# Altium PCB PCB 2 layer 10 x 10.PcbDoc (part 1 of 3)
Units mil, origin at the board's own origin, x right, y up, seen from the top; angles counter-clockwise.
Board outline 3937.01 x 3937.01 mil, 2 copper layers (Top Layer, Bottom Layer); 219 components, 191 nets, 758 pads, 513 vias.
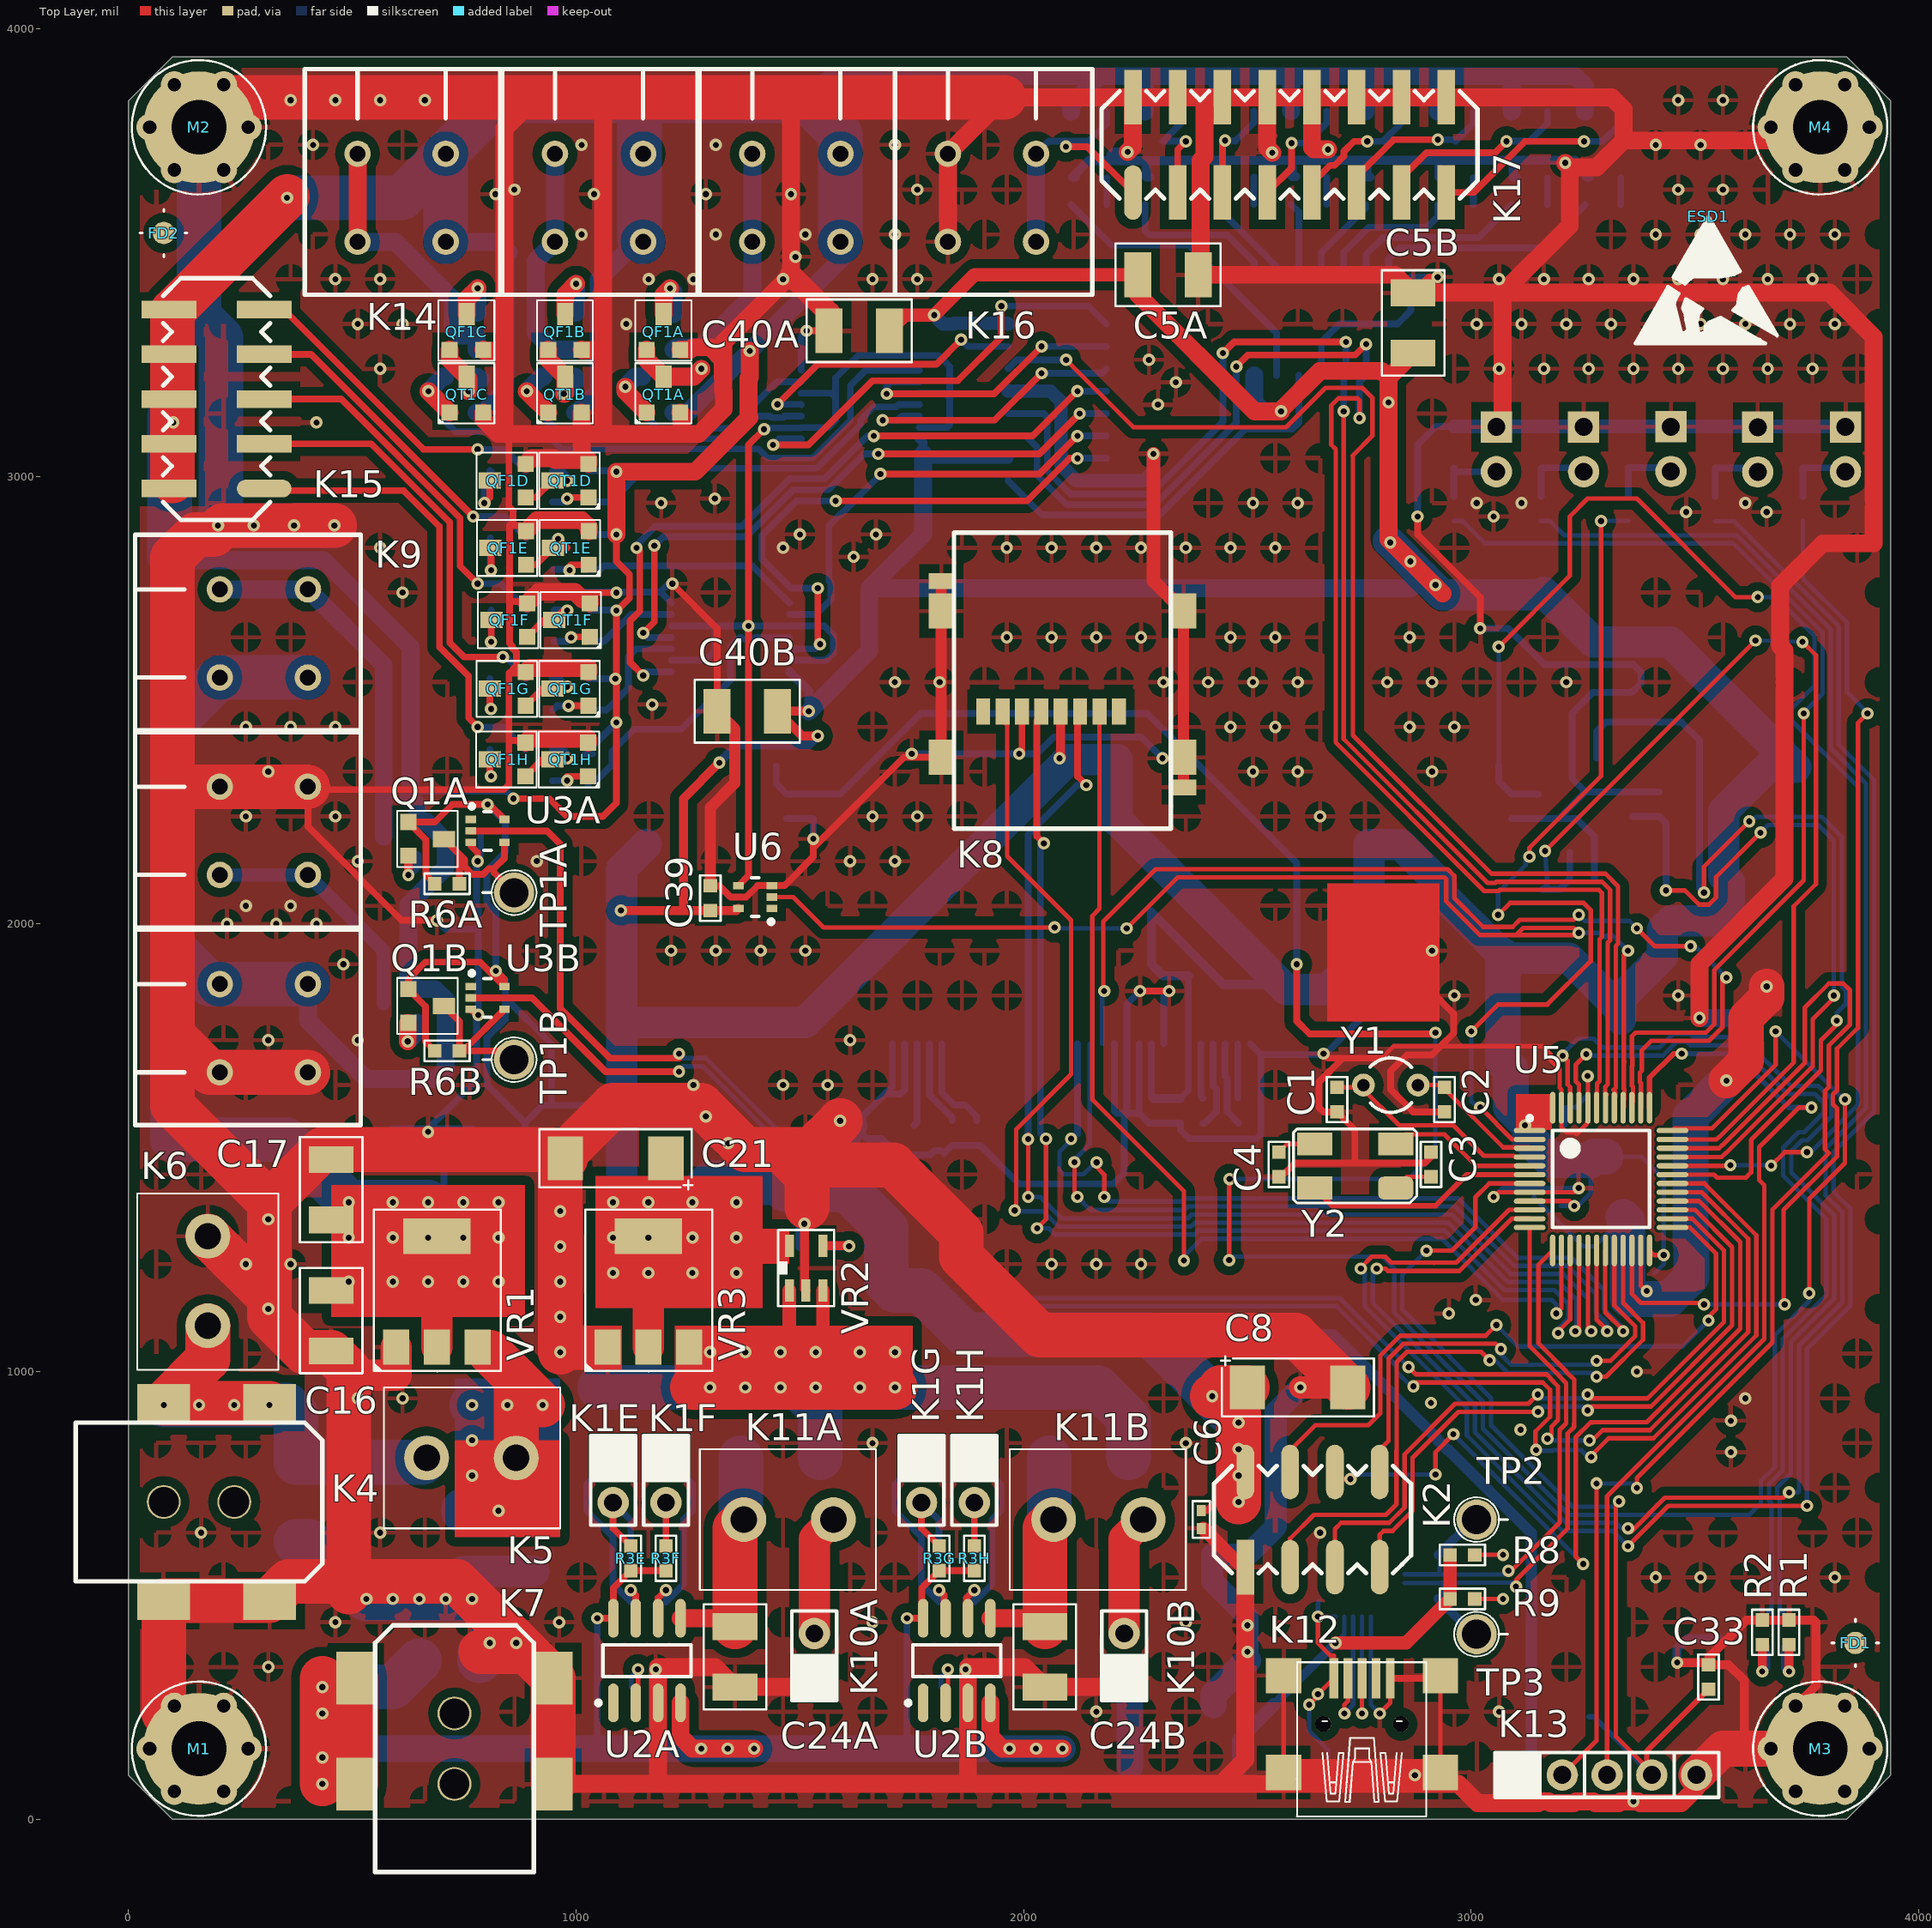
[diagram p0: Top Layer view]
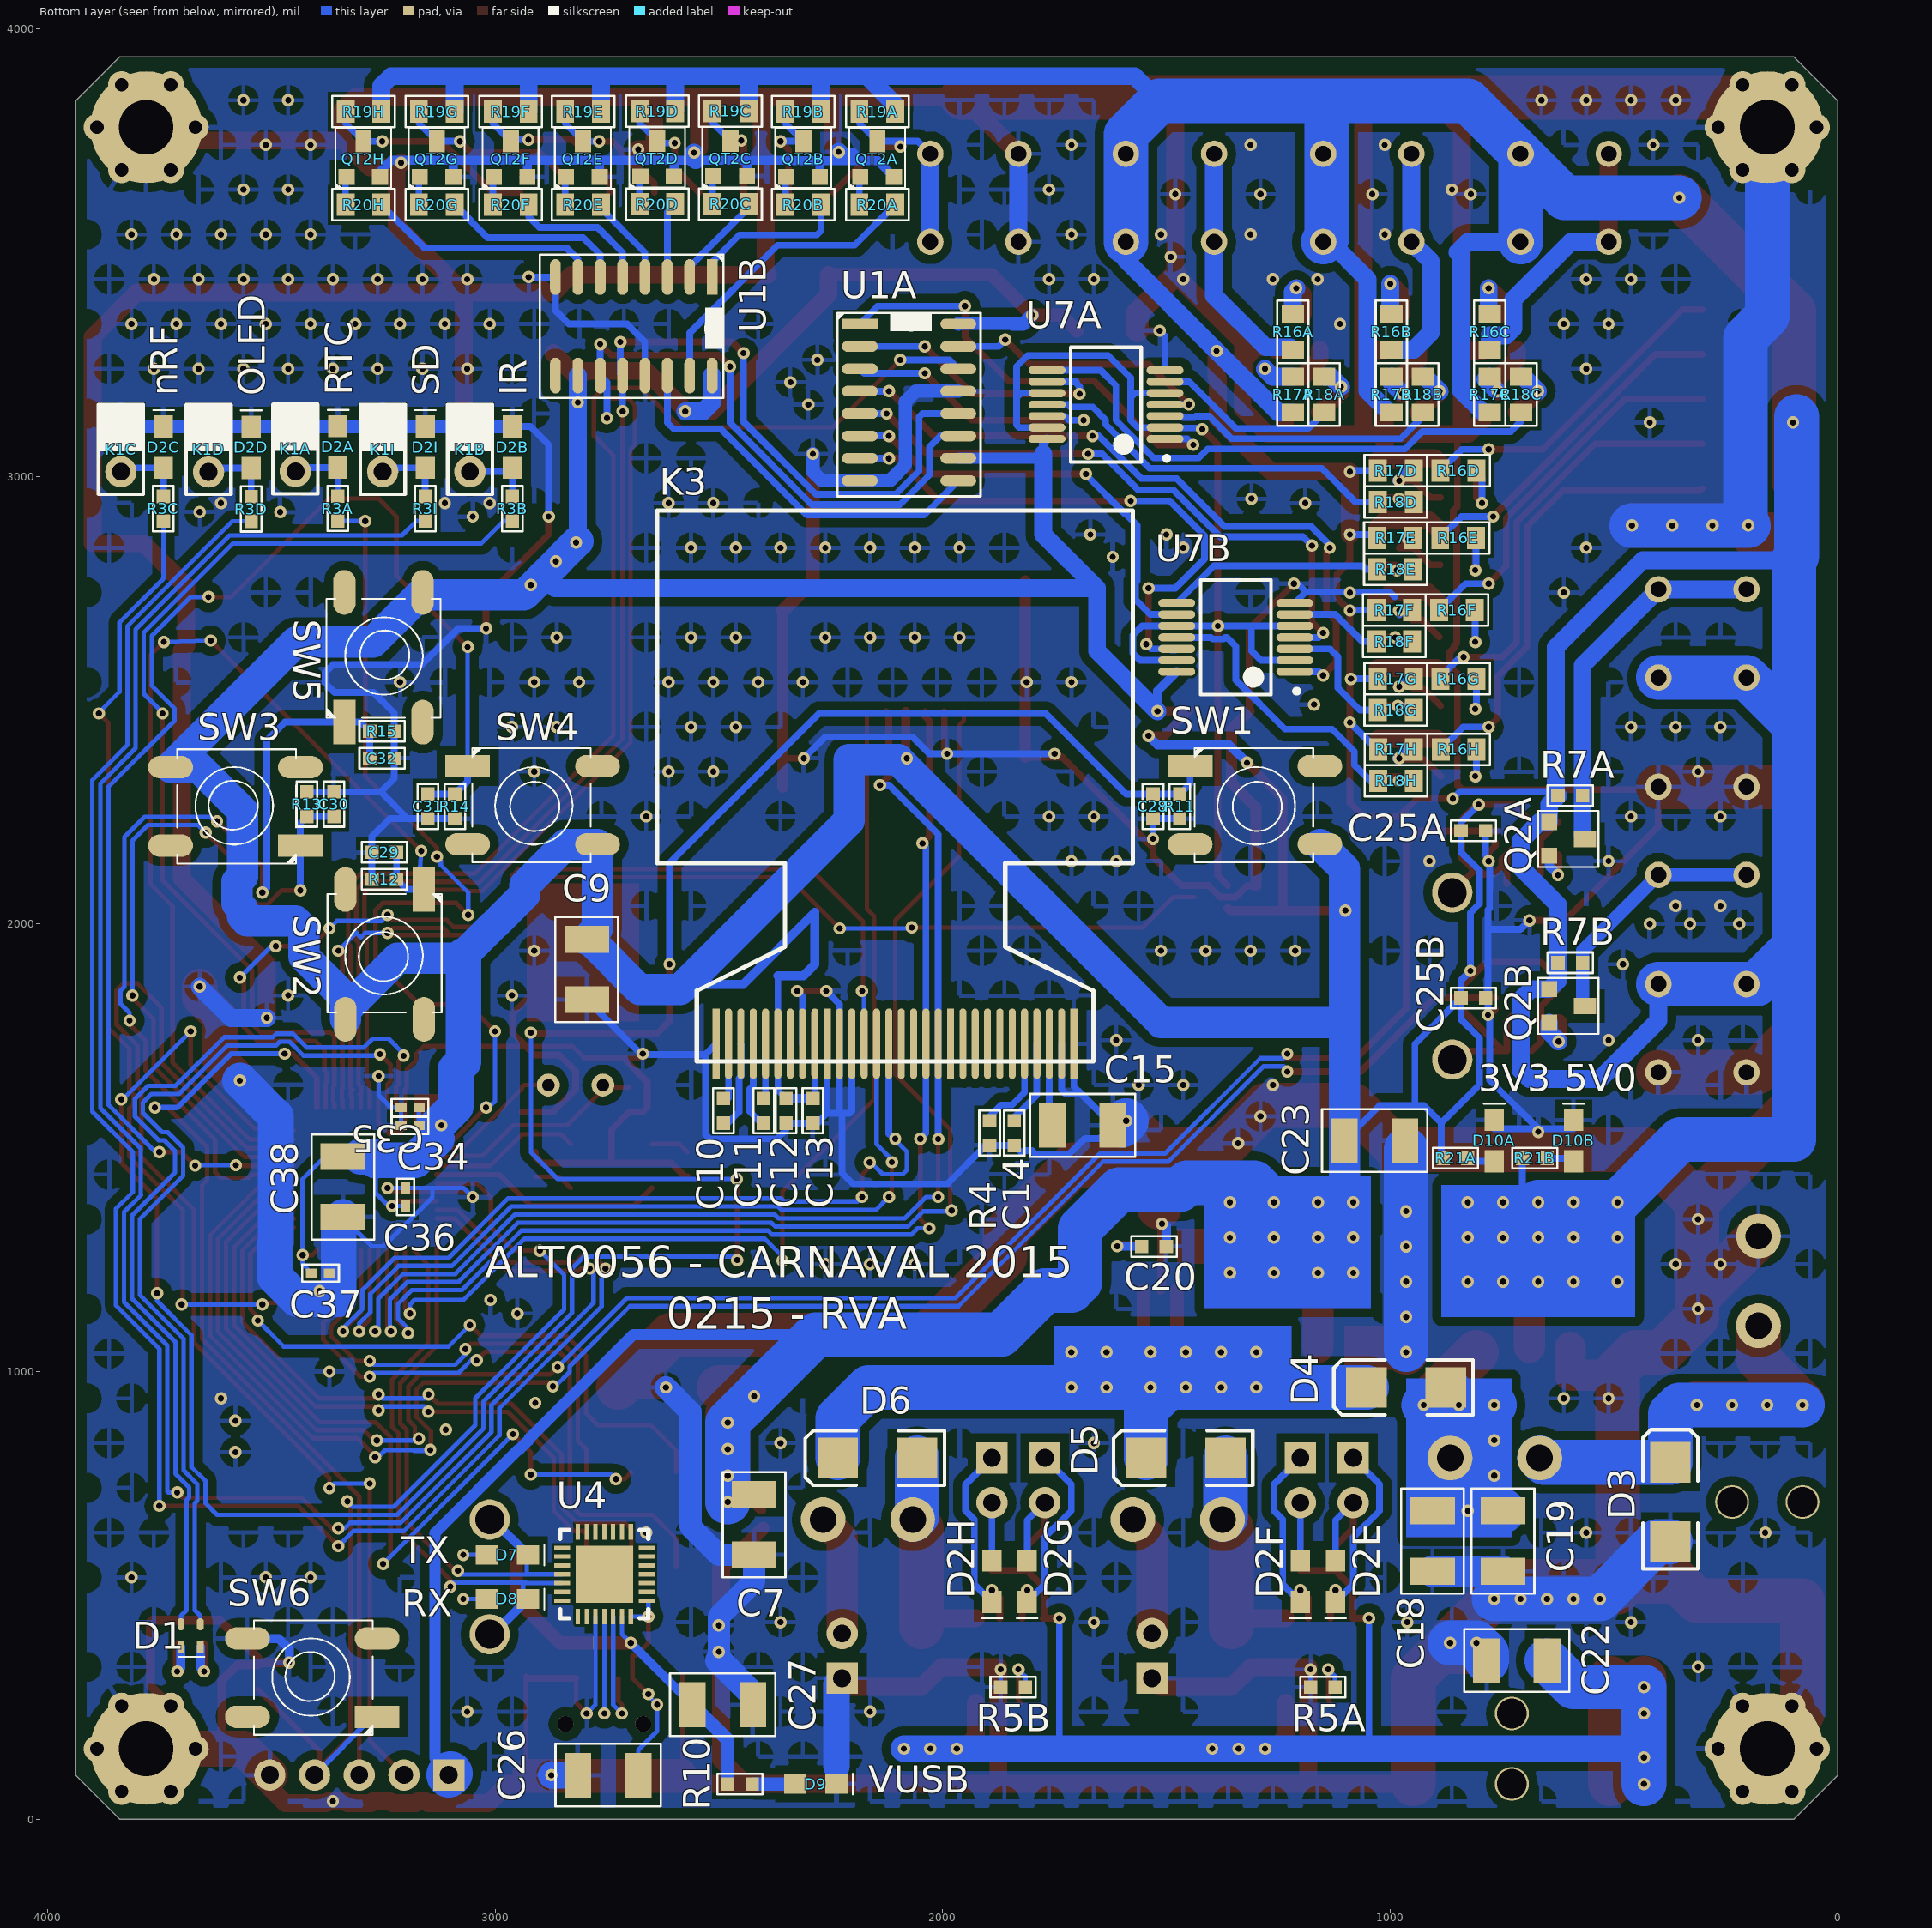
[diagram p1: Bottom Layer view, seen from below]

## Layer stack, top to bottom
Top Solder: solder mask 0.4, Solder Resist, Dk 3.5
Top Layer: signal copper 1.4
Dielectric1: dielectric 12.6, FR-4, Dk 4.8
Bottom Layer: signal copper 1.4
Bottom Solder: solder mask 0.4, Solder Resist, Dk 3.5

## Board outline
0,98.43 0,3838.58 98.42,3937.01 3838.58,3937.01 3937.01,3838.58 3937.01,98.42 3838.58,0 98.43,0

## Design rules (kind name [scope] priority, off if disabled: settings)
Clearance Clearance_2 [(InComponent('U5') OR InComponent('U4') OR InComponent('U7A') OR InComponent('U7B'))] p1: gap=6
Clearance Clearance_1 [InPolygon] p2: gap=20
Clearance [All] p3: gap=8
HoleSize [All] p1: absolutevalues=TRUE maxlimit=125 minlimit=1 maxpercent=80.000 minpercent=20.000
MinimumSolderMaskSliver [All] p1: minsoldermaskwidth=1
PlaneConnect [All] p1: planeconnectstyle=Relief reliefexpansion=20 reliefentries=4 reliefconductorwidth=10 reliefairgap=20
PolygonConnect [All] p1: connectstyle=Relief reliefconductorwidth=10 reliefentries=4 polygonreliefangle="90 Angle" airgapwidth=20
RoomDefinition SDLED [InComponentClass('SDLED')] p1: confinementstyle=ConfineIn formatcopy=TRUE lockcomponents=FALSE outline 3120.35,2980.13 3120.35,3159.68 3187,3159.68 3187,3174 3315,3174 3315,2946 3191.5,2946 3191.5,2864.5 3120.5,2864.5 3120.5,2980.13
RoomDefinition SD [InComponentClass('SD')] p2: confinementstyle=ConfineIn formatcopy=TRUE lockcomponents=FALSE outline 1773.4,2197.6 1773.4,2889.02 2399.83,2889.02 2399.83,2197.6
RoomDefinition RTCLED [InComponentClass('RTCLED')] p3: confinementstyle=ConfineIn formatcopy=TRUE lockcomponents=FALSE outline 3315.35,2980.63 3315.35,3160.18 3382,3160.18 3382,3174.5 3510,3174.5 3510,2946.5 3386.5,2946.5 3386.5,2865 3315.5,2865 3315.5,2980.63
RoomDefinition OLEDLED [InComponentClass('OLEDLED')] p4: confinementstyle=ConfineIn formatcopy=TRUE lockcomponents=FALSE outline 3509.35,2979.63 3509.35,3159.18 3576,3159.18 3576,3173.5 3704,3173.5 3704,2945.5 3580.5,2945.5 3580.5,2864 3509.5,2864 3509.5,2979.63
RoomDefinition nRFLED [InComponentClass('nRFLED')] p5: confinementstyle=ConfineIn formatcopy=TRUE lockcomponents=FALSE outline 3705.35,2980.13 3705.35,3159.68 3772,3159.68 3772,3174 3900,3174 3900,2946 3776.5,2946 3776.5,2864.5 3705.5,2864.5 3705.5,2980.13
RoomDefinition IRLED [InComponentClass('IRLED')] p6: confinementstyle=ConfineIn formatcopy=TRUE lockcomponents=FALSE outline 2925.35,2980.13 2925.35,3159.68 2992,3159.68 2992,3174 3120,3174 3120,2946 2996.5,2946 2996.5,2864.5 2925.5,2864.5 2925.5,2980.13
RoomDefinition SSR1 [InComponentClass('SSR1')] p7: confinementstyle=ConfineIn formatcopy=TRUE lockcomponents=FALSE outline 2228.35,3862.06 2228.35,3559.06 2063.35,3559.06 2063.35,3862.06
RoomDefinition SSR2 [InComponentClass('SSR2')] p8: confinementstyle=ConfineIn formatcopy=TRUE lockcomponents=FALSE outline 2393.7,3862.06 2393.7,3559.06 2228.7,3559.06 2228.7,3862.06
RoomDefinition SSR3 [InComponentClass('SSR3')] p9: confinementstyle=ConfineIn formatcopy=TRUE lockcomponents=FALSE outline 2556.49,3863.32 2556.49,3560.31 2391.49,3560.31 2391.49,3863.32
RoomDefinition SSR4 [InComponentClass('SSR4')] p10: confinementstyle=ConfineIn formatcopy=TRUE lockcomponents=FALSE outline 2719.84,3862.98 2719.84,3559.98 2554.84,3559.98 2554.84,3862.98
RoomDefinition SSR5 [InComponentClass('SSR5')] p11: confinementstyle=ConfineIn formatcopy=TRUE lockcomponents=FALSE outline 2885.83,3862.06 2885.83,3559.06 2720.83,3559.06 2720.83,3862.06
RoomDefinition SSR6 [InComponentClass('SSR6')] p12: confinementstyle=ConfineIn formatcopy=TRUE lockcomponents=FALSE outline 3047.24,3862.06 3047.24,3559.06 2882.24,3559.06 2882.24,3862.06
RoomDefinition SSR7 [InComponentClass('SSR7')] p13: confinementstyle=ConfineIn formatcopy=TRUE lockcomponents=FALSE outline 3212.6,3862.06 3212.6,3559.06 3047.6,3559.06 3047.6,3862.06
RoomDefinition SSR8 [InComponentClass('SSR8')] p14: confinementstyle=ConfineIn formatcopy=TRUE lockcomponents=FALSE outline 3376.39,3861.99 3376.39,3558.99 3211.39,3558.99 3211.39,3861.99
RoomDefinition CH2 [InComponentClass('CH2')] p15: confinementstyle=ConfineIn formatcopy=TRUE lockcomponents=FALSE outline 522.76,1742.28 522.76,1891.28 534.69,1891.28 534.69,1948.82 660.69,1948.82 660.69,1917.41 873.38,1917.41 873.38,1870.08 877.22,1870.08 877.22,1758.78 925.2,1758.78 925.2,1634.78 778.41,1634.78 778.41,1680.97 648.74,1680.97 648.74,1742.28
RoomDefinition 3V30 [InComponentClass('3V30')] p16: confinementstyle=ConfineIn formatcopy=TRUE lockcomponents=FALSE outline 732.06,1430.88 732.06,1610.43 803.37,1610.43 803.37,1511.88 917.27,1511.88 917.27,1440.88 803.37,1440.88 803.37,1430.88
RoomDefinition 5V00 [InComponentClass('5V00')] p17: confinementstyle=ConfineIn formatcopy=TRUE lockcomponents=FALSE outline 554.9,1430.88 554.9,1610.43 626.2,1610.43 626.2,1511.88 740.11,1511.88 740.11,1440.88 626.2,1440.88 626.2,1430.88
RoomDefinition PS [InComponentClass('PS')] p18: confinementstyle=ConfineIn formatcopy=TRUE lockcomponents=FALSE outline -133.11,430.88 -133.11,986.44 7.69,986.44 7.69,1409.64 370.26,1409.64 370.26,1536.08 904.86,1536.08 904.86,1598.25 1164.86,1598.25 1164.86,1555.28 1272.73,1555.28 1272.73,1373.92 1316.92,1373.92 1316.92,1328.72 1588.86,1328.72 1588.86,1315.03 1590.62,1315.03 1590.62,882.05 2321.02,882.05 2321.02,732.13 1006.13,732.13 1006.13,-133.11 450.57,-133.11 450.57,430.88
RoomDefinition STBY2 [InComponentClass('STBY2')] p19: confinementstyle=ConfineIn formatcopy=TRUE lockcomponents=FALSE outline 1811.02,433.07 1968.5,433.07 1968.5,885.83 1811.02,885.83
RoomDefinition STBY1 [InComponentClass('STBY1')] p20: confinementstyle=ConfineIn formatcopy=TRUE lockcomponents=FALSE outline 1122.05,433.07 1279.53,433.07 1279.53,885.83 1122.05,885.83
RoomDefinition CHRG2 [InComponentClass('CHRG2')] p21: confinementstyle=ConfineIn formatcopy=TRUE lockcomponents=FALSE outline 1692.91,433.07 1850.39,433.07 1850.39,885.83 1692.91,885.83
RoomDefinition CHRG1 [InComponentClass('CHRG1')] p22: confinementstyle=ConfineIn formatcopy=TRUE lockcomponents=FALSE outline 1003.94,433.07 1161.42,433.07 1161.42,885.83 1003.94,885.83
RoomDefinition BAT2 [InComponentClass('BAT2')] p23: confinementstyle=ConfineIn formatcopy=TRUE lockcomponents=FALSE outline 1712.6,177.17 2381.89,177.17 2381.89,846.46 1712.6,846.46
RoomDefinition BAT1 [InComponentClass('BAT1')] p24: confinementstyle=ConfineIn formatcopy=TRUE lockcomponents=FALSE outline 1020.47,177.17 1689.76,177.17 1689.76,846.46 1020.47,846.46
RoomDefinition WS [InComponentClass('WS')] p25: confinementstyle=ConfineIn formatcopy=TRUE lockcomponents=FALSE outline 0,1535.43 0,2884.33 533.94,2884.33 533.94,1535.43
RoomDefinition UA [InComponentClass('UA')] p26: confinementstyle=ConfineIn formatcopy=TRUE lockcomponents=FALSE outline 2188.79,43.09 2188.79,114.39 2361.56,114.39 2361.56,338.41 2527.34,338.41 2527.34,374.24 2629.7,374.24 2629.7,673.45 2948.02,673.45 2948.02,731.29 3094.81,731.29 3094.81,351.39 2984.47,351.39 2984.47,-23.78 2527.34,-23.78 2527.34,43.09
RoomDefinition SSR [InComponentClass('SSR')] p27: confinementstyle=ConfineIn formatcopy=TRUE lockcomponents=FALSE outline 1697.6,3390.51 1697.6,3924.45 2168.54,3924.45 2168.54,3921.48 3029.09,3921.48 3029.09,3558.83 2168.54,3558.83 2168.54,3390.51
RoomDefinition PB [InComponentClass('PB')] p28: confinementstyle=ConfineIn formatcopy=TRUE lockcomponents=FALSE outline 1093.01,2125.52 1093.01,2404.52 3109.77,2404.52 3109.77,2804.63 3388.77,2804.63 3388.77,2402.04 3788.88,2402.04 3788.88,2123.04 3386.29,2123.04 3386.29,1722.93 3107.29,1722.93 3107.29,2125.52
RoomDefinition OLED [InComponentClass('OLED')] p29: confinementstyle=ConfineIn formatcopy=TRUE lockcomponents=FALSE outline 1557.5,1467.5 1557.5,1632.5 1559.8,1632.5 1559.8,2938.23 2652.8,2938.23 2652.8,2028.21 2877.78,2028.21 2877.78,1768.21 2652.8,1768.21 2652.8,1639.54 2525.5,1639.54 2525.5,1519.5 1930.5,1519.5 1930.5,1469.5 1817.5,1469.5 1817.5,1467.5
RoomDefinition nRF [InComponentClass('nRF')] p30: confinementstyle=ConfineIn formatcopy=TRUE lockcomponents=FALSE outline 2338.76,528.05 2338.76,788.05 2410.28,788.05 2410.28,850.61 2428.06,850.61 2428.06,1046.84 2795.06,1046.84 2795.06,850.61 2880.28,850.61 2880.28,487.97 2410.28,487.97 2410.28,528.05
RoomDefinition NAND2 [InComponentClass('NAND2')] p31: confinementstyle=ConfineIn formatcopy=TRUE lockcomponents=FALSE outline 1146.02,2490.24 1146.02,2789.76 1543.98,2789.76 1543.98,2490.24 1512.5,2490.24 1512.5,2392.5 1252.5,2392.5 1252.5,2490.24
RoomDefinition NAND1 [InComponentClass('NAND1')] p32: confinementstyle=ConfineIn formatcopy=TRUE lockcomponents=FALSE outline 1436.02,3010.24 1436.02,3309.76 1502.5,3309.76 1502.5,3407.5 1762.5,3407.5 1762.5,3309.76 1833.98,3309.76 1833.98,3010.24
RoomDefinition MCU [InComponentClass('MCU')] p33: confinementstyle=ConfineIn formatcopy=TRUE lockcomponents=FALSE outline 3039.31,34.78 3039.31,162.78 3073.31,162.78 3073.31,1646.69 3506.69,1646.69 3506.69,455.78 3617.31,455.78 3617.31,380.5 3625.5,380.5 3625.5,254.5 3617.31,254.5 3617.31,176.78 3567.31,176.78 3567.31,34.78
RoomDefinition IRL [InComponentClass('IRL')] p34: confinementstyle=ConfineIn formatcopy=TRUE lockcomponents=FALSE outline 15.53,2887.44 15.53,3457.44 378.7,3457.44 378.7,3924.45 1727.6,3924.45 1727.6,3390.51 1471.02,3390.51 1471.02,1977.17 1328.98,1977.17 1328.98,1994.5 1264.5,1994.5 1264.5,2887.44
RoomDefinition IR7 [InComponentClass('IR7')] p35: confinementstyle=ConfineIn formatcopy=TRUE lockcomponents=FALSE outline 1069.55,2272.26 904.55,2272.26 904.55,2292.75 764.93,2292.75 764.93,2352.26 764.55,2352.26 764.55,2447.26 929.55,2447.26 929.55,2441.75 1063.93,2441.75 1063.93,2437.26 1069.55,2437.26
RoomDefinition IR6 [InComponentClass('IR6')] p36: confinementstyle=ConfineIn formatcopy=TRUE lockcomponents=FALSE outline 1070,2430 905,2430 905,2450.48 765.38,2450.48 765.38,2510 765,2510 765,2605 930,2605 930,2599.48 1064.38,2599.48 1064.38,2595 1070,2595
RoomDefinition IR5 [InComponentClass('IR5')] p37: confinementstyle=ConfineIn formatcopy=TRUE lockcomponents=FALSE outline 1073.33,2583.52 908.33,2583.52 908.33,2604.01 768.71,2604.01 768.71,2663.52 768.33,2663.52 768.33,2758.52 933.33,2758.52 933.33,2753.01 1067.71,2753.01 1067.71,2748.52 1073.33,2748.52
RoomDefinition IR4 [InComponentClass('IR4')] p38: confinementstyle=ConfineIn formatcopy=TRUE lockcomponents=FALSE outline 1070.87,2744.76 905.87,2744.76 905.87,2765.25 766.25,2765.25 766.25,2824.76 765.87,2824.76 765.87,2919.76 930.87,2919.76 930.87,2914.25 1065.25,2914.25 1065.25,2909.76 1070.87,2909.76
RoomDefinition IR3 [InComponentClass('IR3')] p39: confinementstyle=ConfineIn formatcopy=TRUE lockcomponents=FALSE outline 1070,2895 905,2895 905,2915.48 765.38,2915.48 765.38,2975 765,2975 765,3070 930,3070 930,3064.48 1064.38,3064.48 1064.38,3060 1070,3060
RoomDefinition IR2 [InComponentClass('IR2')] p40: confinementstyle=ConfineIn formatcopy=TRUE lockcomponents=FALSE outline 660,3100 660,3265 680.48,3265 680.48,3404.62 740,3404.62 740,3405 835,3405 835,3240 829.48,3240 829.48,3105.62 825,3105.62 825,3100
RoomDefinition IR1 [InComponentClass('IR1')] p41: confinementstyle=ConfineIn formatcopy=TRUE lockcomponents=FALSE outline 880,3100 880,3265 900.48,3265 900.48,3404.62 950,3404.62 950,3405 1045,3405 1045,3404.62 1049.48,3404.62 1049.48,3105.62 1045,3105.62 1045,3100
RoomDefinition IR0 [InComponentClass('IR0')] p42: confinementstyle=ConfineIn formatcopy=TRUE lockcomponents=FALSE outline 1100,3100 1100,3265 1120.48,3265 1120.48,3404.62 1180,3404.62 1180,3405 1275,3405 1275,3240 1269.48,3240 1269.48,3105.62 1265,3105.62 1265,3100
RoomDefinition HC2 [InComponentClass('HC2')] p43: confinementstyle=ConfineIn formatcopy=TRUE lockcomponents=FALSE outline 2477.52,3162.62 2477.52,3507.62 2912.52,3507.62 2912.52,3472.5 2952.5,3472.5 2952.5,3212.5 2912.52,3212.5 2912.52,3162.62